# Altium PCB Controller_PVC_v2.PcbDoc (part 1 of 2) (continued)
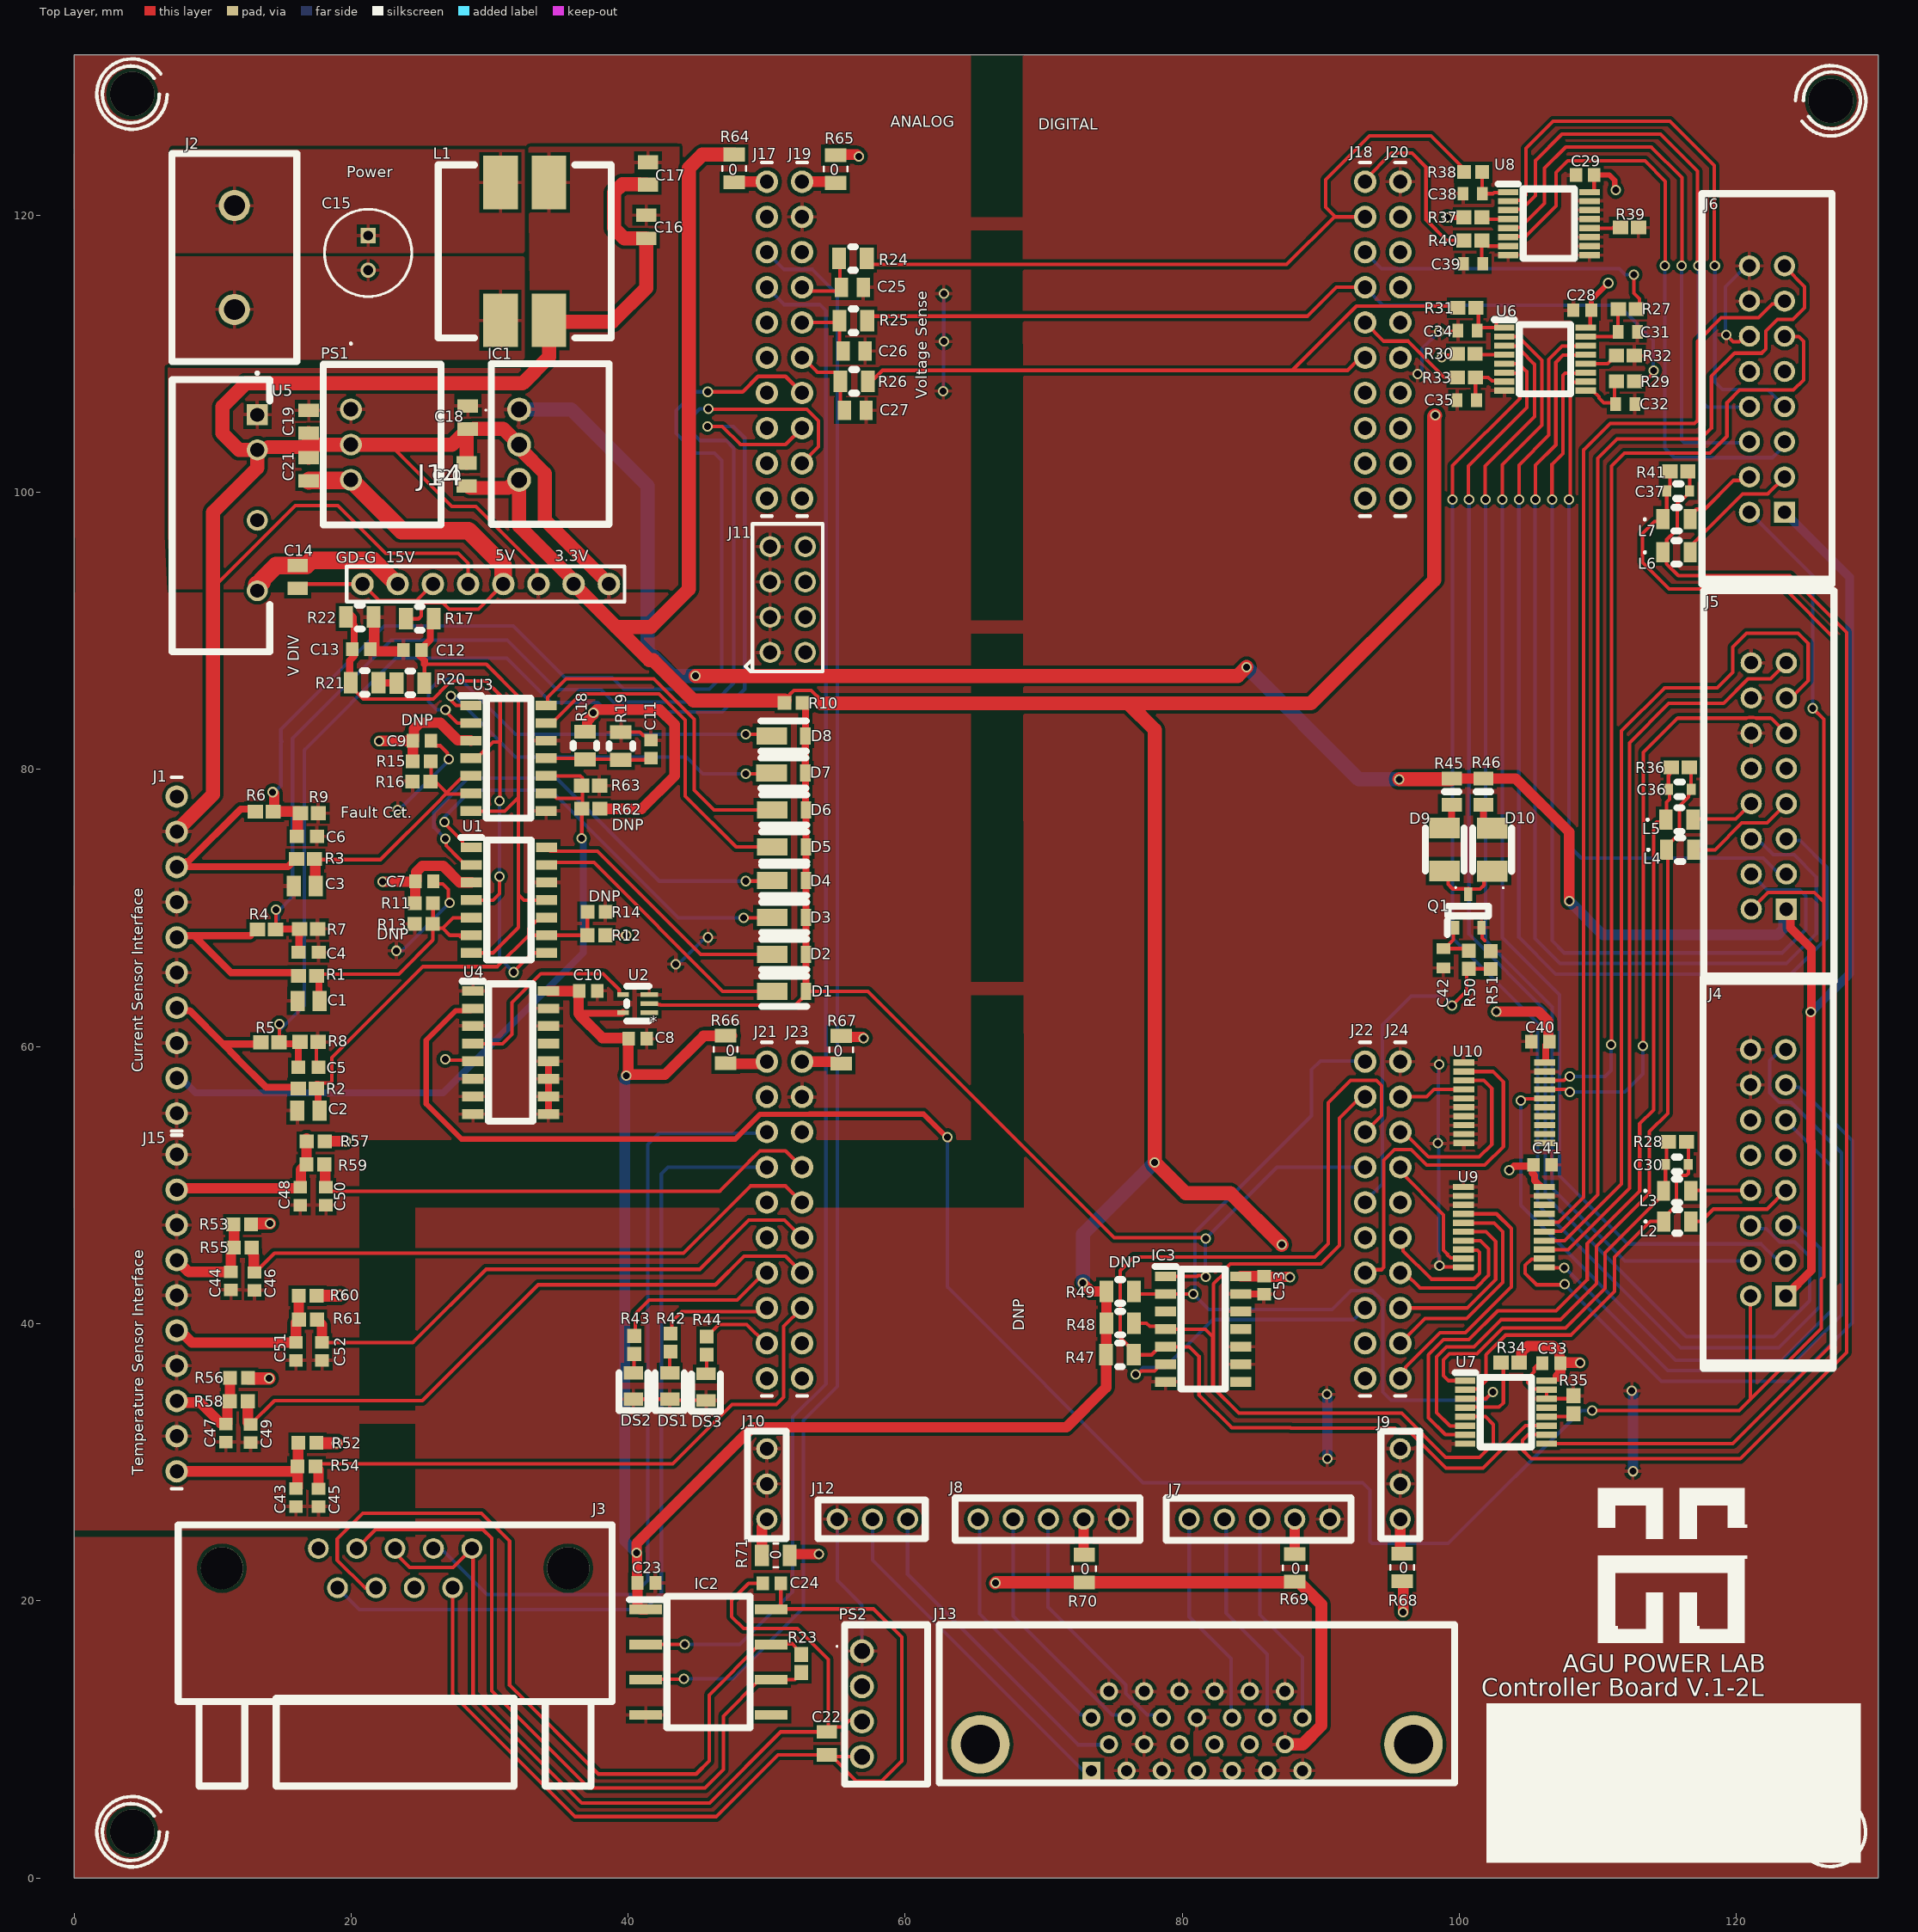
[diagram p0: Top Layer view]
## Part data (continued)
DS3: "LED", Arrow Part Number="LG R971-KN-1", Manufacturer_Name=OSRAM, Mouser Part Number=720-LGR971-KN-1, Arrow Price/Stock=https://www.arrow.com/en/products/lgr971-kn-1/osram-opto-semiconductors, Datasheet Link="http://www.mouser.com/ds/2/311/LG R971 - CHIPLED 0805-318376.pdf", Height=0.8mm, Manufacturer_Part_Number="LG R971-KN-1", Mouser Price/Stock=https://www.mouser.co.uk/ProductDetail/OSRAM-Opto-Semiconductors/LG-R971-KN-1?qs=LsPilcdHE7EX1EB7GCLHxg%3D%3D
IC1: "Integrated Circuit", Manufacturer_Name="RECOM Power", Mouser Part Number=919-R-78E3.3-1.0, Arrow Part Number=R-78E3.3-1.0, Arrow Price/Stock=https://www.arrow.com/en/products/r-78e3.3-1.0/recom-power, Datasheet Link=https://componentsearchengine.com/Datasheets/1/R-78E3.3-1.0.pdf, Height=10.9mm, Manufacturer_Part_Number=R-78E3.3-1.0, Mouser Price/Stock=https://www.mouser.co.uk/ProductDetail/RECOM-Power/R-78E33-10/?qs=D0iH%252BVFiYPOgLjjtWWnV0Q%3D%3D
IC2: "Integrated Circuit", Manufacturer_Name="Texas Instruments", Mouser Part Number=595-ISO1050DUBR, Arrow Part Number=ISO1050DUBR, Arrow Price/Stock=https://www.arrow.com/en/products/iso1050dubr/texas-instruments, Datasheet Link=http://www.ti.com/lit/ds/symlink/iso1050.pdf, Height=4.85mm, Manufacturer_Part_Number=ISO1050DUBR, Mouser Price/Stock=https://www.mouser.co.uk/ProductDetail/Texas-Instruments/ISO1050DUBR?qs=IK5e5L0zOXhhp9hdAolE%252BA%3D%3D
IC3: "Integrated Circuit", Arrow Part Number=74HC21D(BJ), Manufacturer_Name=Toshiba, Mouser Part Number=757-74HC21DBJ, Arrow Price/Stock=https://www.arrow.com/en/products/74hc21d-bj/toshiba, Datasheet Link=http://toshiba.semicon-storage.com/info/docget.jsp?did=37140&prodName=74HC21D, Height=1.75mm, Manufacturer_Part_Number=74HC21D(BJ), Mouser Price/Stock=https://www.mouser.co.uk/ProductDetail/Toshiba/74HC21DBJ/?qs=lQAVKuKFhkIbgMuwKfdO9g%3D%3D
J1 J15 J17 J18 J19 J20 J21 J22 J23 J24: library part 1009002200006, "Connector,Pin Socket,Straight,Female,1x10Pin,2.54MM pitch,8.5,3.2,Gold Flash 1u,black,DIP", Manufacturer=MTCONN, Embest PN=1009002200006, Manufacturer Part Number=FH2543-10GT10, Part Type="Pin Socket"
J2: "Connector", Manufacturer_Name="TE Connectivity", Mouser Part Number=571-282844-2, Arrow Part Number=282844-2, Arrow Price/Stock=https://www.arrow.com/en/products/282844-2/te-connectivity, Datasheet Link=https://componentsearchengine.com/Datasheets/2/282844-2.pdf, Height=15.2mm, Manufacturer_Part_Number=282844-2, Mouser Price/Stock=https://www.mouser.co.uk/ProductDetail/TE-Connectivity-AMP/282844-2?qs=gdajpSf3VLeviVN6hiKaSg%3D%3D
J7 J8: library part Component_1
J13: "Connector", Manufacturer_Name=3M, Mouser Part Number=517-10226-55G3PC, Supplier Part Number 1=7000007571, Arrow Part Number=10226-55G3PC, Arrow Price/Stock=https://www.arrow.com/en/products/10226-55g3pc/3m, Datasheet Link=http://multimedia.3m.com/mws/media/22348O/3mtm-mdr-050-bm-thru-hole-ra-receptacle-shielded-ts0621.pdf, Height=9.4mm, Manufacturer_Part_Number=10226-55G3PC, Mouser Price/Stock=https://www.mouser.co.uk/ProductDetail/3M-Electronic-Solutions-Division/10226-55G3PC?qs=9ksnFUyBSYxAdorQqLLnHA%3D%3D, Supplier 1=Avnet
L1: "Inductor", Manufacturer_Name="Wurth Elektronik", Mouser Part Number=710-744282010, Manufacturer_Part_Number=744282010, Mouser Price/Stock=https://www.mouser.co.uk/ProductDetail/Wurth-Elektronik/744282010?qs=c50eh9DPO4PZUn%2FpIKDQTg%3D%3D
L2 L4 L6: library part MLZ2012N1R0LT000, "No Description Available", Built_By=EMA_UL_Team, Copyright="Copyright (C) 2018 Accelerated Designs. All rights reserved", Manufacturer_Part_Number=MLZ2012N1R0LT000, RefDes=RefDes, SourceLibrary=TDK_2015_05_22, Supplier 1="Arrow Electronics", Supplier Part Number 1=MLZ2012N1R0LT000, Type=DEV, Vendor=TDK
PS1: "Power Supply", Manufacturer_Name="RECOM Power", Mouser Part Number=919-R-78E5.0-1.0, Arrow Part Number=R-78E5.0-1.0, Arrow Price/Stock=https://www.arrow.com/en/products/r-78e5.0-1.0/recom-power, Datasheet Link=http://www.recom-power.com/pdf/Innoline/R-78Exx-1.0.pdf, Height=10.4mm, Manufacturer_Part_Number=R-78E5.0-1.0, Mouser Price/Stock=https://www.mouser.co.uk/ProductDetail/RECOM-Power/R-78E50-10/?qs=T0XSgvH75d4EsZCU9I5HVA%3D%3D
PS2: "Power Supply", Manufacturer_Name="RECOM Power", Mouser Part Number=919-RFM-0505S, Arrow Part Number=RFM-0505S, Arrow Price/Stock=https://www.arrow.com/en/products/rfm-0505s/recom-power, Datasheet Link=https://www.recom-power.com/pdf/Econoline/RFM.pdf, Height=10.5mm, Manufacturer_Part_Number=RFM-0505S, Mouser Price/Stock=https://www.mouser.co.uk/ProductDetail/RECOM-Power/RFM-0505S/?qs=lYGu3FyN48dRVYKTH5ipqg%3D%3D
Q1: "MOSFET (N-Channel)", Manufacturer_Name="ON Semiconductor", Mouser Part Number=512-BSS138L, Supplier Part Number 1=BSS138LT1G, Arrow Part Number=BSS138L, Arrow Price/Stock=https://www.arrow.com/en/products/bss138l/on-semiconductor, Datasheet Link=https://www.onsemi.com/products/discretes-drivers/mosfets/bss138l, Height=1.11mm, Manufacturer_Part_Number=BSS138L, Mouser Price/Stock=https://www.mouser.co.uk/ProductDetail/ON-Semiconductor-Fairchild/BSS138L?qs=C8E66ftkQtxfAHmiWaRE%252Bg%3D%3D, Supplier 1=Avnet
R1 R2 R3: "Resistor", Manufacturer_Name="TE Connectivity", Mouser Part Number=279-CRG0603F1K0, Arrow Part Number=CRG0603F1K0, Arrow Price/Stock=https://www.arrow.com/en/products/crg0603f1k0/te-connectivity, Datasheet Link=http://docs-europe.electrocomponents.com/webdocs/13d1/0900766b813d116f.pdf, Height=0.55mm, Manufacturer_Part_Number=CRG0603F1K0, Mouser Price/Stock=https://www.mouser.com/Search/Refine.aspx?Keyword=279-CRG0603F1K0
R4 R5 R6 R7 R8 R9: "Resistor", Manufacturer_Name="Stackpole Electronics Inc.", Datasheet Link=https://www.seielect.com/Catalog/SEI-RMCF_RMCP.pdf, Height=0.55mm
  R4 R5 R6: Manufacturer_Part_Number=RMCF0603FT4K99
  R7 R8 R9: Arrow Part Number=RMCF0603FT7K50, Arrow Price/Stock=https://www.arrow.com/en/products/rmcf0603ft7k50/stackpole-electronics, Manufacturer_Part_Number=RMCF0603FT7K50
R10 R11 R12 R13 R14 R15 R16 R62 R63: library part RC0603FR-072KL, "Resistor", Manufacturer_Name="YAGEO (PHYCOMP)", Mouser Part Number=603-RC0603FR-072KL, Arrow Part Number=RC0603FR-072KL, Arrow Price/Stock=https://www.arrow.com/en/products/rc0603fr-072kl/yageo, Datasheet Link=http://www.yageo.com/documents/recent/PYu-RC0603_51_RoHS_L_v5.pdf, Height=0.55mm, Manufacturer_Part_Number=RC0603FR-072KL, Mouser Price/Stock=https://www.mouser.co.uk/ProductDetail/Yageo/RC0603FR-072KL?qs=diQw95jMAePdEfSTIJQNsQ%3D%3D
R17 R18 R19: library part RN73C2A1K24BTG, Built_By=EMA_UL_Team, Copyright="Copyright (C) 2018 Accelerated Designs. All rights reserved", Manufacturer_Part_Number=RN73C2A1K24BTG, RefDes=RefDes, SourceLibrary=Tyco_2012-01-01_RN73_D, Type=DEV, Vendor="TE Connectivity"
R20 R21 R22: library part RN73C2A1K24BTG, "No Description Available", Built_By=EMA_UL_Team, Copyright="Copyright (C) 2018 Accelerated Designs. All rights reserved", Manufacturer_Part_Number=RN73C2A1K24BTG, RefDes=RefDes, SourceLibrary=Tyco_2012-01-01_RN73_D, Type=DEV, Vendor="TE Connectivity"
R23 R52 R53 R56 R57 R60: library part MCR03ERTF1002, "Resistor", Manufacturer_Name="ROHM Semiconductor", Datasheet Link=http://docs-emea.rs-online.com/webdocs/1471/0900766b814716e9.pdf, Height=0.55mm, Manufacturer_Part_Number=MCR03ERTF1002
R24 R25 R26 R47 R48 R49 R64 R65 R66 R67 R68 R69 R70 R71: library part RN73C2A1K24BTG, "1.24K ohm 0805", Built_By=EMA_UL_Team, Copyright="Copyright (C) 2018 Accelerated Designs. All rights reserved", Manufacturer_Part_Number=RN73C2A1K24BTG, RefDes=RefDes, SourceLibrary=Tyco_2012-01-01_RN73_D, Type=DEV, Vendor="TE Connectivity"
R27 R29 R31 R33 R38 R40 R50: "Resistor", Manufacturer_Name="YAGEO (PHYCOMP)", Mouser Part Number=603-RC0603JR-07120RL, Arrow Part Number=RC0603JR-07120RL, Arrow Price/Stock=https://www.arrow.com/en/products/rc0603jr-07120rl/yageo, Datasheet Link=http://www.yageo.com/documents/recent/PYu-RC0603_51_RoHS_L_v5.pdf, Height=0.55mm, Manufacturer_Part_Number=RC0603JR-07120RL, Mouser Price/Stock=https://www.mouser.com/Search/Refine.aspx?Keyword=603-RC0603JR-07120RL
  R27 R29 R33 R40: Supplier 1=Avnet, Supplier Part Number 1=RC0603JR-07120RL
R28 R36 R41: library part RC0603FR-07100RL, "Resistor", Manufacturer_Name="YAGEO (PHYCOMP)", Mouser Part Number=603-RC0603FR-07100RL, Arrow Part Number=RC0603FR-07100RL, Arrow Price/Stock=https://www.arrow.com/en/products/rc0603fr-07100rl/yageo, Datasheet Link=http://www.yageo.com/documents/recent/PYu-RC0603_51_RoHS_L_v5.pdf, Height=0.55mm, Manufacturer_Part_Number=RC0603FR-07100RL, Mouser Price/Stock=https://www.mouser.co.uk/ProductDetail/Yageo/RC0603FR-07100RL?qs=NEN%2FsE%2FLsvPIwIWKCOS4%2FA%3D%3D
R30 R32 R37 R39: "Resistor", Manufacturer_Name="YAGEO (PHYCOMP)", Mouser Part Number=603-RC0603JR-0715KL, Arrow Part Number=RC0603JR-0715KL, Arrow Price/Stock=https://www.arrow.com/en/products/rc0603jr-0715kl/yageo, Datasheet Link=http://www.yageo.com/documents/recent/PYu-RC0603_51_RoHS_L_v5.pdf, Height=0.55mm, Manufacturer_Part_Number=RC0603JR-0715KL, Mouser Price/Stock=https://www.mouser.co.uk/ProductDetail/Yageo/RC0603JR-0715KL?qs=%2F9ZTgpVJnN5Hjv3bbwwkqQ%3D%3D
R34 R35: library part RC0603JR-0715KL, "Resistor", Manufacturer_Name="YAGEO (PHYCOMP)", Mouser Part Number=603-RC0603JR-0715KL, Arrow Part Number=RC0603JR-0715KL, Arrow Price/Stock=https://www.arrow.com/en/products/rc0603jr-0715kl/yageo, Datasheet Link=http://www.yageo.com/documents/recent/PYu-RC0603_51_RoHS_L_v5.pdf, Height=0.55mm, Manufacturer_Part_Number=RC0603JR-0715KL, Mouser Price/Stock=https://www.mouser.co.uk/ProductDetail/Yageo/RC0603JR-0715KL?qs=%2F9ZTgpVJnN5Hjv3bbwwkqQ%3D%3D
R42 R43 R44: "Resistor", Manufacturer_Name="YAGEO (PHYCOMP)", Mouser Part Number=603-RC0603FR-07680RL, Datasheet Link=http://www.yageo.com/documents/recent/PYu-RC0603_51_RoHS_L_v5.pdf, Height=0.55mm, Manufacturer_Part_Number=RC0603FR-07680RL, Mouser Price/Stock=https://www.mouser.co.uk/ProductDetail/Yageo/RC0603FR-07680RL?qs=2cAdsCoAWRH4RP9ApRPkoA%3D%3D
R45 R46 R51: "Resistor", Manufacturer_Name="ROHM Semiconductor"
  R45 R46: Datasheet Link=http://rohmfs.rohm.com/en/products/databook/datasheet/passive/resistor/chip_resistor/ktr.pdf, Height=0.65mm, Manufacturer_Part_Number=KTR10EZPF1801
  R51: Datasheet Link=http://docs-emea.rs-online.com/webdocs/1471/0900766b814716e9.pdf, Height=0.55mm, Manufacturer_Part_Number=MCR03ERTF1002
R54 R55 R58 R59 R61: library part RMCF0603FG1K00, "Resistor", Manufacturer_Name="Stackpole Electronics Inc.", Datasheet Link=https://www.seielect.com/Catalog/SEI-RMCF_RMCP.pdf, Height=0.55mm, Manufacturer_Part_Number=RMCF0603FG1K00
U1 U3: "Integrated Circuit", Manufacturer_Name=STMicroelectronics, Mouser Part Number=511-LM339DT, Supplier Part Number 1=LM339DTBR2G, Arrow Part Number=LM339DT, Arrow Price/Stock=https://www.arrow.com/en/products/lm339dt/stmicroelectronics, Datasheet Link=http://www.st.com/st-web-ui/static/active/en/resource/technical/document/datasheet/CD00000460.pdf, Height=1.75mm, Manufacturer_Part_Number=LM339DT, Mouser Price/Stock=https://www.mouser.co.uk/ProductDetail/STMicroelectronics/LM339DT?qs=8q6yV%252BexmWU1LP6UrPvZEQ%3D%3D, Supplier 1=Avnet
U2: library part 74AHC1G14GW, "No Description Available", Built_By=EMA_UL_Team, Copyright="Copyright (C) 2018 Accelerated Designs. All rights reserved", Manufacturer_Part_Number=74AHC1G14GW, RefDes=RefDes, SourceLibrary=NXP_2011-11-10, Type=DEV, Vendor=NXP
U4: "Integrated Circuit", Manufacturer_Name=Nexperia, Mouser Part Number=771-HEF4043BT652, Arrow Part Number=HEF4043BT,652, Arrow Price/Stock=https://www.arrow.com/en/products/hef4043bt652/nexperia, Datasheet Link=https://assets.nexperia.com/documents/data-sheet/HEF4043B.pdf, Height=1.75mm, Manufacturer_Part_Number=HEF4043BT,652, Mouser Price/Stock=https://www.mouser.com/Search/Refine.aspx?Keyword=771-HEF4043BT652
U5: Package=None, Availability=Unavailable, MP=PDM2-S12-S15-S, Price=None
U6 U8: "Integrated Circuit", Manufacturer_Name="Texas Instruments", Mouser Part Number=595-AM26LV31EIPWR, Arrow Part Number=AM26LV31EIPWR, Arrow Price/Stock=https://www.arrow.com/en/products/am26lv31eipwr/texas-instruments, Datasheet Link=http://www.ti.com/lit/gpn/am26lv31e, Height=1.2mm, Manufacturer_Part_Number=AM26LV31EIPWR, Mouser Price/Stock=https://www.mouser.co.uk/ProductDetail/Texas-Instruments/AM26LV31EIPWR?qs=iW8OfOTwbwMA51JqXL5WTA%3D%3D, Supplier 1="Arrow Electronics", Supplier Part Number 1=AM26LV31EIPWR
U7: "Integrated Circuit", Manufacturer_Name="Texas Instruments", Mouser Part Number=595-AM26LV32EIPWR, Arrow Part Number=AM26LV32EIPWR, Arrow Price/Stock=https://www.arrow.com/en/products/am26lv32eipwr/texas-instruments, Datasheet Link=http://www.ti.com/lit/gpn/am26lv32e, Height=1.2mm, Manufacturer_Part_Number=AM26LV32EIPWR, Mouser Price/Stock=https://www.mouser.co.uk/ProductDetail/Texas-Instruments/AM26LV32EIPWR?qs=iW8OfOTwbwMs71vWcC8tjQ%3D%3D, Supplier 1="Arrow Electronics", Supplier Part Number 1=AM26LV32EIPWR

## Via types
v1: diameter 0.75, hole 0.5, Top Layer to Bottom Layer, 103 vias
v2: diameter 3.2, hole 3.2, Top Layer to Bottom Layer, 4 vias

## Nets (pads, with @x,y where several pads share a name; then routed paths per layer and width w, separated by ;. In a path a pad name is that pad's centre, name@x,y a point inside that pad or via, vN(x,y) a via of type N, cw(c..) or ccw(c..) an arc to the next point about the centre after c; other vN are vias at no path point)
12V_P: C16.2 C17.2 C18.2 C19.2 IC1.1 J4.1 J5.1 J6.1 L1.1 PS1.1 R45.2 R46.2 U5.1 | length 187.8
  Top Layer w0.254: R45.2@99.38,79.273 R45.2@99.441,79.334
  Top Layer w0.635: J4.1@123.546,41.986 125.4,43.84 125.4,53.124 125.355,53.169 v1(125.355,62.484) ; J5.1@123.596,69.901 123.876,69.621 123.876,68.58 125.4,67.056 v1@125.4,62.484
  Top Layer w0.762: R45.2@99.441,79.334 R46.2@101.727,79.334 104.054,79.334 107.925,75.463 v1(107.925,70.485)
  Top Layer w1.016: v1(44.86,86.745) 44.864,86.741 83.998,86.741 v1(84.633,87.376) ; v1(95.656,79.273) R45.2@99.38,79.273
  Bottom Layer w0.635: J6.1@123.469,98.552 128.156,93.866 128.156,65.24 125.4,62.484 v1(125.355,62.484)
  Bottom Layer w0.762: v1(107.925,70.485) 110.363,68.047 122.941,68.047 123.388,68.493 123.388,69.692 J5.1@123.596,69.901
  Bottom Layer w1.016: IC1.1@32.131,105.969 35.89,105.969 41.402,100.457 41.402,88.544 43.205,86.741 44.856,86.741 v1(44.86,86.745) ; v1(84.633,87.376) 92.735,79.273 v1(95.656,79.273)
12VP_BATT: C15.1 J2.1 L1.2
15V: C14.1 J14.2 U5.6 | length 11.7
  Top Layer w1.27: U5.6@13.208,93.328 13.402,93.328 13.565,93.491 13.565,93.684 14.589,94.708 C14.1@16.154,94.708 16.756,94.708 17.117,95.069 21.574,95.069 23.273,93.37 J14.2@23.368,93.37
+3V3: C8.2 C10.2 C20.2 C23.2 C28.2 C29.2 C33.2 C53.2 IC1.3 IC2.1 IC3.14 J13.10 J14.7 R10.1 R30.1 R34.2 R37.1 R47.1 R48.1 R49.1 R64.1 R66.1 R68.1 U2.5 U4.16 U6.16 U7.16 U8.16 | length 326.1
  Top Layer w0.254: R10.1@51.293,84.785 51.666,85.158 51.666,85.397 51.969,85.7 53.217,85.7 53.905,85.012 53.905,84.76 ; v1@87.711,43.378 v1(87.757,43.332) ; R68.1@95.86,21.399 R68.1@95.936,21.323 ; U7.16@106.291,35.879 106.749,35.879 107.065,36.195 ; U8.16@109.389,121.655 109.62,121.655 109.718,121.753 C29.2@109.718,122.885 ; U6.16@109.442,111.876 109.442,113.059 C28.2@109.514,113.132
  Top Layer w0.381: v1(98.723,109.745) 98.794,109.815 99.666,109.815 R30.1@99.832,109.982 ; v1(99.111,119.812) 99.123,119.825 100.313,119.825 R37.1@100.325,119.837 ; C28.2@109.514,113.132 109.507,113.139 109.507,113.85 v1(110.744,115.087) ; C29.2@109.718,122.885 110.826,122.885 111.207,122.504 111.207,121.864 v1(111.277,121.793)
  Top Layer w0.504: 36.424,62.382 39.563,62.382 U2.5@39.624,62.444 ; 107.065,36.195 107.119,36.195
  Top Layer w0.762: U4.16@34.246,64.008 34.272,63.983 C10.2@36.444,63.983 ; 36.424,62.382 36.424,63.962 C10.2@36.444,63.983 ; C10.2@36.47,64.008 C10.2@36.444,63.983 ; 36.525,62.23 38.151,60.604 39.99,60.604 C8.2@40.041,60.554 40.005,60.518 40.005,58.014 v1@39.954,57.963 ; v1(39.878,57.887) v1@39.954,57.963 ; v1@39.878,57.963 v1@39.954,57.963 ; IC2.1@41.271,19.38 40.899,19.38 40.676,19.603 C23.2@40.676,21.285 40.645,21.316 40.645,23.414 v1(40.615,23.444) 40.615,24.13 48.997,32.512 71.628,32.512 74.498,35.382 R47.1@74.498,37.744 74.508,37.754 74.508,40.021 R48.1@74.517,40.03 R49.1@74.517,42.316 73.431,42.316 v1(72.822,42.926) ; R66.1@47.498,60.77 46.939,60.77 46.926,60.757 45.441,60.757 42.647,57.963 v1@39.954,57.963 ; IC3.14@84.215,43.409 84.222,43.416 85.895,43.416 C53.2@85.903,43.424 85.948,43.378 v1@87.711,43.378 ; v1(95.936,19.177) R68.1@95.936,21.323 ; R34.2@104.476,37.305 104.476,37.933 104.923,38.379 106.769,38.379 107.215,37.933 107.215,37.199 C33.2@107.279,37.135 107.279,36.337 107.138,36.195 107.119,36.195 ; C33.2@107.518,37.186 108.686,37.186 v1(108.712,37.16)
  Top Layer w1.016: C20.2@28.583,100.305 31.355,100.305 31.939,100.889 IC1.3@32.131,100.889 32.131,97.561 J14.7@36.195,93.497 ; J14.7@35.858,93.555 39.141,90.272 ; R64.1@47.65,124.365 45.352,124.365 44.374,123.387 44.374,92.989 41.656,90.272 39.141,90.272 ; R10.1@51.293,84.963 44.729,84.963 41.808,87.884 41.529,87.884 39.141,90.272 ; 53.905,84.76 76.098,84.76 ; v1(87.173,45.695) 83.464,49.403 80.239,49.403 v1(78.003,51.638) 78.003,82.855 76.098,84.76 ; v1(98.247,105.537) 98.171,105.461 98.171,93.65 89.281,84.76 76.098,84.76
  Bottom Layer w0.762: v1(39.878,57.887) 39.878,57.785 39.751,57.658 39.751,24.308 v1(40.615,23.444)
  Bottom Layer w1.016: v1@72.822,43.002 72.822,46.457 v1(78.003,51.638)
+5: C7.1 C9.1 C21.2 C40.2 C41.2 J1.1 J13.12 J13.20 J14.5 PS1.3 PS2.2 R11.2 R12.2 R15.2 R17.1 R18.1 R52.2 R53.2 R56.2 R57.2 R60.2 R62.1 R65.2 R67.2 R69.1 R70.1 R71.1 U1.3 U3.3 U4.5 U9.20 U10.20 | length 127.4
  Top Layer w0.254: R56.2@12.563,36.093 R56.2@12.613,36.043 ; R52.2@17.505,31.394 R52.2@17.531,31.369 ; R57.2@18.1,53.137 R57.2@18.125,53.162 ; R17.1@23.965,90.881 24.054,90.881 24.079,90.856 24.867,90.856 25.076,91.065 25.076,91.814 25.299,92.037 26.618,92.037 27.088,91.567 29.185,91.567 J14.5@30.988,93.37 ; C7.1@24.61,71.88 24.63,71.9 C7.1@24.638,71.907 ; v1(26.797,59.08) 26.873,59.004 28.72,59.004 U4.5@28.796,58.928 ; R12.2@38.359,68.021 v1(39.853,68.021) ; R71.1@51.651,23.266 R71.1@51.676,23.241 ; J13.12@87.198,9.845 J13.12@87.401,9.642
  Top Layer w0.504: v1(103.596,51.079) 103.663,51.079 103.942,51.359 105.243,51.359 C41.2@105.344,51.46 ; 105.228,50.876 105.421,50.683 105.421,50.333 105.812,49.941 U9.20@105.843,49.941 ; U10.20@106.147,58.922 106.223,58.998 106.223,60.092 C40.2@106.481,60.35
  Top Layer w0.508: PS2.2@56.871,13.818 PS2.2@56.998,13.691
  Top Layer w0.762: R57.2@18.125,53.162 v1(19.634,53.162) ; v1(22.022,82.042) 24.445,82.042 C9.1@24.471,82.067 R15.2@24.471,80.747 ; v1(22.276,71.88) C7.1@24.61,71.88 ; C9.1@24.535,82.055 24.535,82.916 24.981,83.363 26.441,83.363 27.706,82.098 28.626,82.098 U3.3@28.657,82.067 ; R11.2@24.63,70.434 C7.1@24.63,71.9 ; C7.1@24.638,71.907 24.702,71.971 24.702,72.586 25.148,73.032 26.646,73.032 27.847,71.831 U1.3@28.682,71.831 ; R18.1@36.881,82.709 37.042,82.87 37.042,83.491 37.49,83.94 v1(37.49,84.074) 37.719,84.303 42.291,84.303 43.358,83.236 43.358,79.527 40.97,77.14 37.988,77.14 R62.1@37.963,77.165 ; R71.1@51.676,23.241 51.803,23.368 v1(53.753,23.368) ; R65.2@54.966,124.314 55.01,124.358 56.515,124.358 v1(56.642,124.231) ; R67.2@55.372,60.763 55.448,60.687 56.915,60.687 v1(56.998,60.604) ; v1(102.656,62.509) 105.704,62.509 106.416,61.798 106.416,60.416 C40.2@106.481,60.35
  Top Layer w0.889: R56.2@12.613,36.043 v1(14.097,36.043) ; R53.2@12.776,47.223 R53.2@12.847,47.223 ; R53.2@12.791,47.168 R53.2@12.847,47.223 ; v1(14.143,47.223) R53.2@12.847,47.223 ; R60.2@17.516,42.012 19.177,42.012 v1(19.202,42.037) ; R52.2@17.531,31.369 v1(18.963,31.369) ; v1@66.489,21.252 v1(66.523,21.285) 66.561,21.323 R70.1@72.923,21.323 88.062,21.323 R69.1@88.113,21.374 88.17,21.317 88.443,21.317 90.028,19.732 90.028,10.99 88.68,9.642 J13.12@87.401,9.642
  Top Layer w1.27: C21.2@16.942,100.821 16.976,100.855 19.956,100.855 PS1.3@19.99,100.889 23.647,97.231 28.473,97.231 30.988,94.717 J14.5@30.988,93.37
+5V-ISO: C22.2 C24.1 IC2.8 J3.9 PS2.4 | length 70.3
  Top Layer w0.254: J3.9@27.333,20.93 27.333,13.256 36.17,4.42 46.355,4.42 50.808,8.873 C22.2@54.331,8.873 54.581,8.873 C22.2@54.716,8.738 ; IC2.8@50.321,19.38 IC2.8@50.795,19.38 ; C24.1@51.018,21.26 51.018,19.603 IC2.8@50.795,19.38 ; PS2.4@56.871,8.738 C22.2@54.716,8.738 ; IC2.8@50.795,19.38 51.079,19.38 51.105,19.406 57.709,19.406 59.741,17.374 59.741,8.426 58.3,6.985 56.468,6.985 C22.2@54.716,8.738
  Bottom Layer w0.508: PS2.4@56.854,8.754 PS2.4@56.871,8.738
ADCINA2/ANALOGIN: C4.2 J19.9 R4.2 R7.2 | length 90.8
  Top Layer w0.254: R4.2@14.544,68.453 14.569,68.478 v1(14.569,69.875) ; v1(45.796,106.011) 45.892,106.011 45.931,105.972 52.905,105.972 53.744,105.133 53.744,103.274 J19.9@52.553,102.083
  Top Layer w0.508: R4.2@14.91,68.478 R7.2@16.292,68.478 ; C4.2@16.214,66.802 16.245,66.833 16.245,67.914 16.275,67.945
  Bottom Layer w0.254: 14.732,69.164 14.732,69.748 15.773,70.79 15.773,82.22 22.885,89.332 31.267,89.332 34.849,85.75 38.075,85.75 38.075,85.725 38.938,84.861 46.253,84.861 47.625,86.233 47.625,103.175 47.066,103.734 45.161,103.734 44.475,104.419 44.475,105.337 44.624,105.486 44.63,105.486 45.155,106.011 v1(45.796,106.011) ; J19.9@52.553,102.083 52.553,101.676 52.756,101.473 52.999,101.717 J19.9@53.079,101.717
ADCINA3/ANALOGIN: C27.2 J19.6 R26.2 | length 5.8
  Top Layer w0.254: J19.6@52.553,109.703 52.604,109.703 53.658,108.648 54.934,108.648 55.308,108.274 R26.2@55.308,108.001 55.308,106.182 C27.2@55.598,105.893
ADCINA5/ANALOGIN: C52.2 J23.6 R61.2 | length 40.6
  Top Layer w0.254: C52.2@17.907,38.633 24.46,38.633 29.743,43.917 45.161,43.917 48.717,47.473 51.283,47.473 J23.6@52.553,46.203
  Top Layer w0.762: R61.2@17.541,40.284 17.907,39.918 C52.2@17.907,38.633
ADCINB2/ANALOGIN: C5.2 J19.8 R5.2 R8.2 | length 91.8
  Top Layer w0.254: R5.2@14.829,60.579 v1(14.829,61.62) ; v1(45.72,104.75) 46.787,104.75 48.105,103.432 51.362,103.432 J19.8@52.553,104.623
  Top Layer w0.508: R5.2@14.798,60.223 14.836,60.185 R8.2@16.296,60.185 ; R5.2@14.798,60.3 R5.2@15.077,60.579 ; C5.2@16.189,58.497 16.189,60.079 R8.2@16.296,60.185 ; R8.2@16.343,60.147 16.304,60.185 R8.2@16.296,60.185
  Bottom Layer w0.254: 14.834,61.138 16.637,62.941 16.637,81.302 cw(c16.891,81.302) 16.711,81.481 23.241,88.011 31.242,88.011 34.423,84.83 37.804,84.83 38.483,84.15 46.787,84.15 48.412,85.776 48.412,103.937 47.6,104.75 v1(45.72,104.75) ; J19.8@52.553,104.623 J19.8@52.73,104.623
ADCINB3/ANALOGIN: C26.2 J19.5 R25.2 | length 5.1
  Top Layer w0.254: J19.5@52.553,112.243 55.137,112.243 R25.2@55.264,112.37 55.264,110.443 C26.2@55.522,110.185
ADCINB4/ANALOGIN: C45.2 J23.8 R54.2 | length 44.6
  Top Layer w0.254: R54.2@17.439,29.65 17.66,29.87 43.205,29.87 47.498,34.163 50.698,34.163 51.232,34.696 51.232,39.802 J23.8@52.553,41.123 ; R54.2@17.463,29.669 R54.2@17.486,29.693
  Top Layer w0.762: R54.2@17.439,29.65 17.482,29.65 17.653,29.479 C45.2@17.653,28.082
ADCINB5/ANALOGIN: C46.2 J23.5 R55.2 | length 44.5
  Top Layer w0.254: C46.2@13.03,43.688 13.075,43.688 14.472,45.085 43.991,45.085 48.84,49.934 51.362,49.934 J23.5@52.553,48.743
  Top Layer w0.762: R55.2@12.827,45.491 12.946,45.372 12.946,44.959 12.979,44.926 12.979,43.739 C46.2@13.03,43.688
ADCINC2/ANALOGIN: C6.2 J19.7 R6.2 R9.2 | length 79.2
  Top Layer w0.254: v1(45.745,107.239) 48.26,107.239 49.375,108.354 51.362,108.354 J19.7@52.553,107.163
  Top Layer w0.762: v1(14.346,78.352) 14.453,78.245 14.453,77.01 R6.2@14.385,76.942 14.405,76.962 R9.2@16.216,76.962 ; C6.2@16.087,75.159 16.154,75.226 R9.2@16.154,76.901
  Bottom Layer w0.254: v1@14.3,78.181 14.935,78.816 14.935,81.835 cw(c15.189,81.835) 15.01,82.015 ; 14.935,82.015 14.935,82.88 22.403,90.348 31.699,90.348 35.433,86.614 38.837,86.614 39.675,85.776 45.847,85.776 46.761,86.69 46.761,102.286 46.228,102.819 44.882,102.819 43.459,104.242 43.459,105.893 44.806,107.239 v1(45.745,107.239)
ADCINC3/ANALOGIN: C25.2 J19.4 R24.2 | length 5.1
  Top Layer w0.254: J19.4@52.553,114.783 52.922,114.783 53.202,114.503 55.543,114.503 55.289,114.757 R24.2@55.289,116.408
ADCINC4/ANALOGIN: C49.2 J23.7 R58.2 | length 47.1
  Top Layer w0.254: C49.2@12.751,32.72 14.473,34.442 25.146,34.442 33.503,42.799 46.304,42.799 48.359,44.854 51.362,44.854 J23.7@52.553,43.663
  Top Layer w0.762: R58.2@12.548,34.392 12.548,32.944 12.548,32.878 12.706,32.72 C49.2@12.751,32.72
ADCINC5/ANALOGIN: C50.2 J23.4 R59.2 | length 37.9
  Top Layer w0.254: C50.2@18.186,49.835 18.462,49.559 46.612,49.559 48.717,51.664 48.717,51.672 49.519,52.474 51.362,52.474 J23.4@52.553,51.283
  Top Layer w0.762: R59.2@18.074,51.486 18.13,51.43 18.13,49.891 C50.2@18.186,49.835
CANA_RX: IC2.2 J17.4 | length 110.7
  Top Layer w0.254: IC2.2@41.271,16.84 v1(44.094,16.84)
  Top Layer w0.508: J17.4@49.936,114.706 J17.4@50.013,114.783
  Bottom Layer w0.254: v1(44.094,16.84) 48.057,16.84 51.867,20.65 51.867,33.249 54.28,35.662 54.28,113.081 53.823,113.538 51.257,113.538 J17.4@50.013,114.783
CANA_TX: IC2.3 J17.3 | length 115.7
  Top Layer w0.254: IC2.3@41.271,14.3 41.309,14.338 43.98,14.338 v1(44.018,14.376)
  Bottom Layer w0.254: v1(44.018,14.376) 47.549,14.376 52.654,19.482 52.654,33.02 55.093,35.458 55.093,114.275 53.289,116.078 51.257,116.078 J17.3@50.013,117.323
CANBH: J12.1 J13.2 | length 23.6
  Bottom Layer w0.254: J12.1@60.173,25.883 60.173,21.895 72.463,9.605 74.664,9.605 J13.2@74.701,9.642
CANBL: J12.2 J13.1 | length 25.1
  Bottom Layer w0.254: J12.2@57.633,25.883 57.633,22.936 72.873,7.696 73.396,7.696 J13.1@73.431,7.732
GD_GND: C14.2 J14.1 J14.3 | length 10.8
  Top Layer w0.254: C14.2@16.154,93.048 16.476,93.37 J14.1@20.828,93.37 ; J14.1@20.828,93.269 20.93,93.269 22.019,92.179 24.717,92.179 J14.3@25.908,93.37
GlobalFault: IC3.6 J22.8 | length 21.1
  Top Layer w0.254: v1(76.632,36.322) 76.769,36.322 77.036,36.589 78.006,36.589 78.155,36.737 78.155,36.836 78.378,37.059 IC3.6@78.791,37.059
  Bottom Layer w0.254: v1(76.632,36.322) 77.145,36.836 78.731,36.836 82.18,40.284 92.354,40.284 J22.8@93.193,41.123